# Altium PCB devkit-visao.PcbDoc (part 2 of 2)
Units mm, origin at the board's own origin, x right, y up, seen from the top; angles counter-clockwise.
Board outline 71 x 59 mm, 4 copper layers (L1, L2, L3, L4), stack 1.56 mm thick; 128 components, 84 nets, 411 pads, 419 vias.
Unrouted connection lines stored in the file: 253.
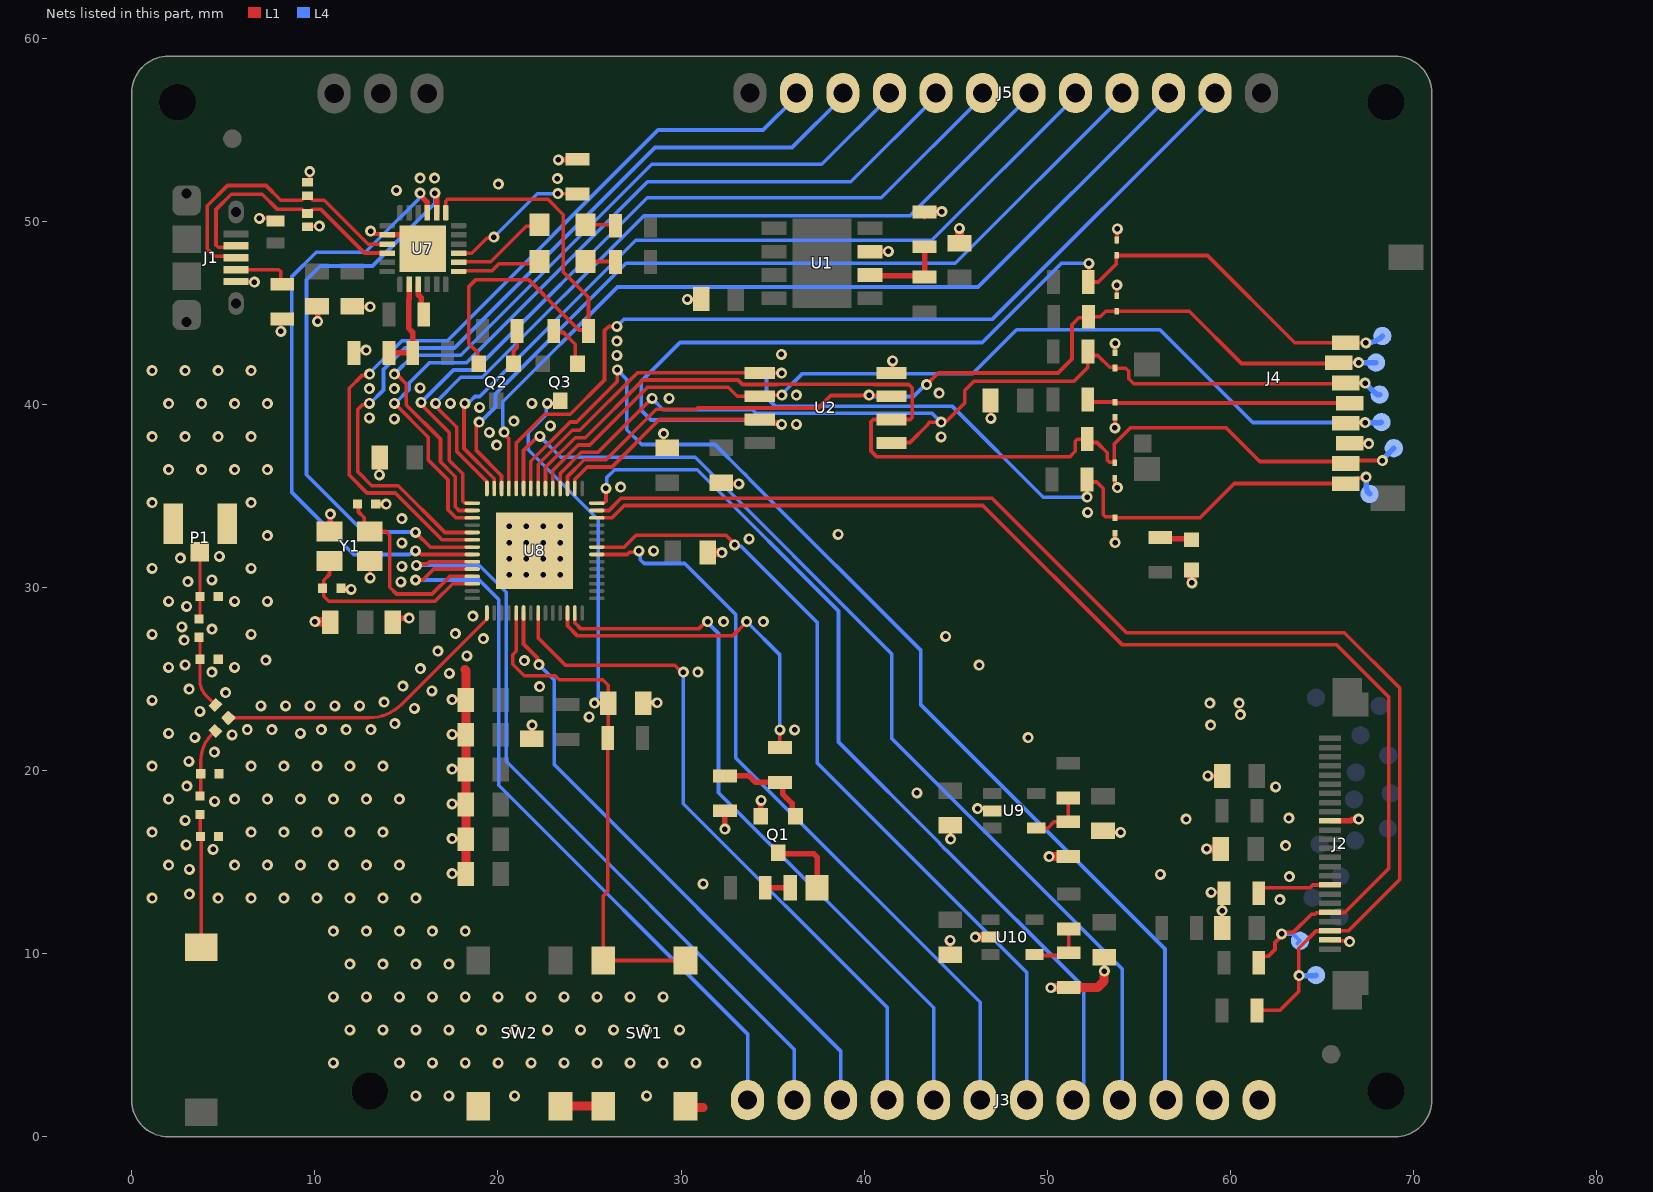
[diagram p4: the nets of this part, all layers, seen from the top]

## Via types
v1: diameter 0.6, hole 0.3, L1 to L4, tented both sides, 391 vias
v2: diameter 0.6, hole 0.3, L1 to L4, tented bottom, 28 vias

## Nets (pads, with @x,y where several pads share a name; then routed paths per layer and width w, separated by ;. In a path a pad name is that pad's centre, name@x,y a point inside that pad or via, vN(x,y) a via of type N, cw(c..) or ccw(c..) an arc to the next point about the centre after c; other vN are vias at no path point) (continued)
GND: C1.1 C2.1 C3.1 C4.1 C5.1 C6.1 C7.1 C8.1 C9.1 C10.1 C11.1 C12.1 C13.1 C14.2 C15.1 C16.1 C17.1 C18.1 C19.1 C20.1 C21.1 C22.2 C23.1 C24.2 C25.1 C26.1 C27.1 C28.1 C29.1 C30.1 C31.1 C32.1 D1.2 D3.2 D4.2 D5.2 D8.2 D9.2 D10.2 D11.2 D12.2 D13.2 J1.5 J2.10 J2.23 J3.11 J3.12 J4.6 P1.2 P1.3 Q1.2 R11.1 R18.1 R20.2 R22.1 R26.1 R29.1 R31.1 R33.1 SW1.1 SW1.2 SW2.1 SW2.2 U1.3 U2.4 U7.2 U7.25 U8.57 U9.2 U10.2 Y1.2 Y1.4 | length 68.6
  L1 w0.2: J1.5@5.7,46.7 5.712,46.688 6.687,46.688 v1(6.7,46.675) ; v1(6.975,50.15) 7.7,50.15 D5.2@7.85,50 ; v1(8.15,43.975) 8.15,44.575 R29.1@8.225,44.65 ; D4.2@9.6,49.735 9.605,49.73 10.245,49.73 v1(10.25,49.725) ; D3.2@9.6,52.065 9.725,52.19 v1(9.725,52.7) ; C29.1@12.05,45.35 12.075,45.325 v1(13.025,45.325) ; R26.1@12.15,42.8 12.3,42.95 v1(12.8,42.95) ; Y1.2@13,31.45 13.025,31.425 v1(13.025,30.525) ; v1(13.051,49.459) 13.109,49.459 13.267,49.3 13.9,49.3 U7.2@13.95,49.25 ; v1(13.525,36.15) 13.525,37.025 C1.1@13.575,37.075 ; v1@29.045,38.375 29.045,37.805 C23.1@29.2,37.65 ; SW1.2@30.25,1.675 SW1.2@30.325,1.6 ; v1(30.35,45.725) 31.05,45.725 C19.1@31.1,45.775 ; U2.4@41.5,41.705 41.55,41.755 v1(41.55,42.375) ; R33.1@43.3,50.2 43.3,50.25 R33.1@43.575,50.525 ; v1(44.7,10.725) 44.7,10 C30.1@44.75,9.95 ; C26.1@44.7,17 44.724,16.976 v1(44.724,16.25) ; v1(46.2,17.912) 46.888,17.912 U9.2@47,17.8 ; C18.1@46.9,40.2 46.925,40.175 v1(46.925,39.225) ; R22.1@51.175,8.15 51.182,8.143 R22.1@51.2,8.125 ; C27.1@53.05,16.7 53.125,16.625 v1(54,16.625) ; C31.1@53.083,9.81 53.125,9.768 v1(53.125,9.05) ; D9.2@53.675,35.955 53.7,35.93 53.7,35.688 53.826,35.561 v1(53.826,35.453) ; v1(53.693,38.707) 53.696,38.711 53.696,39.276 D10.2@53.7,39.28 ; v1(53.7,32.45) D8.2@53.7,32.955 ; D11.2@53.7,42.82 v1(53.7,43.325) ; D12.2@53.8,45.92 v1(53.8,46.5) ; D13.2@53.8,48.82 D13.2@53.8,48.97 53.812,48.983 53.812,49.562 v1(53.825,49.575) ; v1(58.775,19.7) C25.1@59.55,19.7 ; v1(58.95,13.35) 59.6,13.35 R11.1@59.65,13.3 ; C22.2@59.55,11.4 59.554,11.404 v1(59.554,12.35) ; J2.23@65.437,10.75 65.486,10.702 66.468,10.702 v1(66.516,10.654)
  L1 w0.3: C28.1@10.125,45.35 10.15,45.325 v1(10.15,44.525) ; C9.1@10.55,28.125 10.85,28.425 C9.1@10.85,28.5 ; Y1.4@10.8,33.05 10.85,33.1 v1(10.85,34) ; C17.1@11.425,29.95 11.456,29.919 11.957,29.919 v1(11.988,29.888) ; C15.1@13.325,34.538 13.337,34.55 v1(13.9,34.55) ; U7.2@13.95,49.25 15.15,49.25 U7.25@15.9,48.5 ; C10.1@14.425,28.4 14.5,28.325 v1(15.15,28.325) ; v1@17.45,16.25 17.475,16.25 C6.1@18.25,16.25 ; v1@17.475,14.35 C7.1@18.25,14.35 ; v1(17.5,21.975) 18.225,21.975 C3.1@18.25,21.95 ; v1(17.5,23.875) 18.225,23.875 C2.1@18.25,23.85 ; v1@17.525,20.075 17.5,20.1 18.225,20.1 C4.1@18.25,20.075 ; v1@17.6,18.175 v1@17.625,18.15 ; v1@17.625,18.2 18.2,18.2 C5.1@18.25,18.15 ; C20.1@21.85,21.725 21.875,21.75 v1(21.875,22.475) ; v1(23.3,53.35) 23.312,53.362 24.337,53.362 R20.2@24.35,53.375 ; SW2.2@23.425,1.675 SW2.2@23.85,2.1 ; SW1.1@25.675,1.6 SW1.1@25.75,1.675 ; C8.1@27.925,23.85 28.075,23.7 v1(28.7,23.7) ; C16.1@32.2,35.725 32.268,35.657 v1(33.157,35.657) ; v1(32.4,16.8) R31.1@32.4,17.8 ; Q1.2@34.35,17.5 34.363,17.513 34.363,18.363 v1(34.375,18.375) ; U1.3@40.325,48.335 40.332,48.342 41.317,48.342 v1(41.325,48.35) ; J2.10@65.437,17.25 66.579,17.25 66.675,17.345 66.995,17.345 v1(67,17.35) ; J4.6@66.506,37.862 66.512,37.856 67.55,37.856 v1(67.556,37.85)
  L1 w0.5: v1(10,28.125) C9.1@10.55,28.125 ; 18.2,25.5 18.25,25.45 C2.1@18.25,23.85 C3.1@18.25,21.95 18.25,20.075 C4.1@18.25,20.05 C5.1@18.25,18.15 C6.1@18.25,16.25 C7.1@18.25,14.35 ; SW2.2@23.425,1.675 25.6,1.675 SW1.1@25.675,1.6 ; SW1.2@30.325,1.6 31.2,1.6 ; C14.2@31.45,31.9 v1(32.225,31.9) ; R33.1@43.575,50.525 v1(44.25,50.525) ; C21.1@45.2,48.8 v1(45.2,49.6) ; v1(46.075,10.9) U10.2@46.75,10.9 ; v1(50.1,15.3) R18.1@51.15,15.3 ; v1(50.203,8.136) 50.21,8.143 R22.1@51.182,8.143 ; R22.1@51.175,8.15 52.75,8.15 53.106,8.506 53.106,9.031 v1(53.125,9.05) ; v1(57.894,30.241) D1.2@57.894,30.994 ; v1(58.699,15.721) C24.2@59.474,15.721
  other v1: 15.517,2.233 17.317,2.233 20.917,2.233 28.117,2.233 11.017,4.033 14.617,4.033 16.417,4.033 18.217,4.033 20.017,4.033 21.817,4.033 23.617,4.033 25.417,4.033 27.217,4.033 29.017,4.033 30.817,4.033 11.917,5.833 13.717,5.833 15.517,5.833 17.317,5.833 19.117,5.833 20.917,5.833 22.717,5.833 24.517,5.833 26.317,5.833 28.117,5.833 29.917,5.833 11.017,7.633 12.817,7.633 14.617,7.633 16.417,7.633 18.217,7.633 20.017,7.633 21.817,7.633 23.617,7.633 25.417,7.633 27.217,7.633 29.017,7.633 11.917,9.433 13.717,9.433 15.517,9.433 17.317,9.433 11.017,11.233 12.817,11.233 14.617,11.233 16.417,11.233 18.217,11.233 62.701,12.951 1.117,13.033 4.717,13.033 6.517,13.033 8.317,13.033 10.117,13.033 11.917,13.033 13.717,13.033 15.517,13.033 3.15,13.245 31.212,13.812 63.225,14.2 56.175,14.325 17.5,14.375 3.15,14.595 2.017,14.833 5.617,14.833 7.417,14.833 9.217,14.833 11.017,14.833 12.817,14.833 14.617,14.833 4.45,15.695 63.015,15.9 2.978,15.934 17.5,16.275 1.117,16.633 6.517,16.633 8.317,16.633 10.117,16.633 11.917,16.633 13.717,16.633 2.923,17.283 57.582,17.35 63.199,17.399 17.5,18.175 4.532,18.312 2.017,18.433 5.617,18.433 7.417,18.433 9.217,18.433 11.017,18.433 12.817,18.433 14.617,18.433 42.875,18.775 62.477,19.109 3.009,19.149 17.5,20.075 1.117,20.233 6.517,20.233 8.317,20.233 10.117,20.233 11.917,20.233 13.717,20.233 3.125,20.494 4.517,21.009 3.455,21.803 48.95,21.8 5.487,21.949 2.017,22.033 9.217,22.033 6.312,22.227 7.662,22.227 10.362,22.227 11.712,22.227 36.2,22.225 13.062,22.229 58.925,22.475 14.37,22.566 24.979,22.932 60.55,23.049 3.73,23.227 15.437,23.392 7.052,23.527 8.402,23.527 9.752,23.527 11.102,23.527 12.452,23.527 58.875,23.675 60.475,23.675 13.787,23.728 1.117,23.833 5.128,24.249 16.391,24.347 3.142,24.442 22.275,24.575 14.812,24.606 17.346,25.302 4.375,25.37 30.925,25.375 15.767,25.561 2.017,25.633 5.617,25.633 46.275,25.75 2.92,25.774 21.45,26.005 7.325,26.025 18.301,26.256 16.721,26.516 2.86,27.123 19.2,27.2 44.45,27.325 1.117,27.433 6.517,27.433 17.676,27.47 4.387,27.719 2.739,27.837 32.325,28.125 34.5,28.125 18.63,28.425 2.999,28.965 2.017,29.233 5.617,29.233 7.417,29.233 14.7,30.3 3.075,30.313 4.375,30.408 1.117,31.033 6.517,31.033 14.75,31.15 2.66,31.597 4.79,31.693 28.5,32 14.75,32.425 33.725,32.65 7.417,32.833 38.575,32.9 14.75,33.75 52.199,34.101 1.117,34.633 6.517,34.633 26.7,35.475 2.017,36.433 3.817,36.433 5.617,36.433 7.417,36.433 19.925,37.775 44.2,38.225 1.117,38.233 2.917,38.233 4.717,38.233 6.517,38.233 29.05,38.4 19.538,38.461 22.861,38.815 36.3,38.9 20.866,39.083 14.35,39.2 12.975,39.25 18.998,39.826 2.017,40.033 3.817,40.033 5.617,40.033 7.417,40.033 17.4,40.05 21.85,40.05 29.347,40.325 36.303,40.5 44.094,40.615 12.975,40.85 14.35,40.85 15.75,40.9 1.117,41.833 2.917,41.833 4.717,41.833 6.517,41.833 26.5,42.675 35.484,42.725 26.5,43.45 14.457,51.686 20.025,52.025 23.25,52.325 15.75,52.35 16.55,52.35
  other v2: 20.625,30.7 21.55,30.7 22.475,30.7 23.4,30.7 20.625,31.575 21.55,31.575 22.475,31.575 23.4,31.575 20.625,32.45 21.55,32.45 22.475,32.45 23.4,32.45 20.625,33.325 21.55,33.325 22.475,33.325 23.4,33.325
GPI040: J5.8 U8.45 | length 45.4
  L1 w0.2: v1(14.35,40.05) v1(14.35,40.05) 16.2,38.199 16.2,36.953 17.275,35.878 17.275,34.237 17.712,33.8 U8.45@18.6,33.8
  L4 w0.2: v1(14.35,40.05) 14.399,40.05 15.15,40.801 15.15,41.149 16.276,42.274 18.299,42.274 28.175,52.15 39.27,52.15 43.92,56.8 J5.8@43.92,57
GPIO0: C8.2 Q3.3 R1.1 SW1.3 SW1.4 U8.5 | length 48.1
  L1 w0.2: U8.5@21,28.6 21,26.514 20.809,26.323 20.809,25.798 21.432,25.175 23.129,25.175 23.354,24.95 25.725,24.95 26.025,24.65 C8.2@26.025,23.675 26.025,21.8 R1.1@26,21.775 26,13.4 25.75,13.15 SW1.4@25.75,9.625 SW1.3@30.25,9.625 ; v1(22.7,40.05) 23.3,40.05 Q3.3@23.47,40.22 ; v1(25.275,23.675) 25.75,23.675 C8.2@25.8,23.725
  L4 w0.2: v1(22.7,40.05) 22.647,39.997 22.647,39.45 21.655,38.458 21.655,37.52 25.475,33.7 25.475,23.983 25.275,23.783 v1(25.275,23.675)
GPIO1: J3.3 U8.6 | length 33.8
  L1 w0.2: U8.6@21.4,28.6 21.4,26.904 22.16,26.144 22.16,25.861 v1(22.237,25.784)
  L4 w0.2: v1(22.237,25.784) 23.075,24.946 23.075,20.325 38.715,4.685 J3.3@38.715,2
GPIO3: J3.4 U8.8 | length 38
  L1 w0.2: U8.8@22.2,28.6 22.2,27.235 23.685,25.75 29.651,25.75 30.026,25.375 v1(30.125,25.375)
  L4 w0.2: v1(30.125,25.375) 30.125,18.19 41.255,7.06 J3.4@41.255,2
GPIO8: J3.5 U8.13 | length 39.3
  L1 w0.2: U8.13@24.2,28.6 24.2,28.063 24.513,27.75 30.977,27.75 31.352,28.125 v1(31.451,28.125)
  L4 w0.2: v1(31.451,28.125) 31.451,28.077 32.05,27.477 32.05,18.784 43.795,7.039 J3.5@43.795,2
GPIO15: J3.6 U8.21 | length 41.4
  L1 w0.2: U8.21@25.4,31.8 27.06,31.8 27.183,31.923 27.623,31.923 v1(27.7,32)
  L4 w0.2: v1(27.7,32) 27.777,31.923 27.777,31.513 27.989,31.3 30.21,31.3 32.987,28.524 32.987,20.688 46.335,7.34 J3.6@46.335,2
GPIO16: J3.7 U8.22 | length 45.1
  L1 w0.2: U8.22@25.4,32.2 26.894,32.2 27.544,32.85 32.45,32.85 32.925,32.375 v1(32.925,32.325)
  L4 w0.2: v1(32.925,32.325) 33.002,32.248 33.277,32.248 37.443,28.082 37.443,20.407 48.875,8.975 J3.7@48.875,2
GPIO26: J3.8 U8.28 | length 50.4
  L1 w0.2: U8.28@25.4,34.6 25.783,34.6 25.9,34.717 v1(25.9,35.4)
  L4 w0.2: v1(25.9,35.4) 25.95,35.45 25.95,36 26.375,36.425 30.884,36.425 38.6,28.709 38.6,21.55 44.124,16.026 44.124,16.001 44.476,15.65 44.5,15.65 52,8.15 52,2.585 J3.8@51.415,2
GPIO27: D13.1 J4.1 R12.2 TP6.1 U2.7 U8.30 | length 70
  L1 w0.2: U8.30@24.2,35.4 24.2,35.891 24.884,36.575 26.225,36.575 28.815,39.165 U2.7@34.3,39.165 ; v1(52.275,47.7) 52.275,46.715 R12.2@52.24,46.68 52.78,46.68 53.775,47.675 53.775,48.125 58.75,48.125 63.513,43.362 J4.1@66.306,43.362 ; J4.1@66.371,43.425 66.446,43.35 v1(67.4,43.35)
  L1 w0.3: U2.7@34.3,39.165 34.475,38.99 35.329,38.99 35.419,38.9 v1(35.5,38.9)
  L4 w0.2: v1(35.5,38.9) 33.7,38.9 33.459,39.141 28.359,39.141 27.819,39.681 27.819,41.244 29.95,43.375 46.45,43.375 50.775,47.7 v1(52.275,47.7) ; v1@67.362,43.388 v1(67.4,43.35)
  L4 w0.3: v1(67.4,43.35) ccw(c67.4,44.617) 68.296,43.721 TP6.1@68.3,43.725
GPIO28: D12.1 J4.2 R13.2 TP5.1 U2.3 U8.31 | length 52
  L1 w0.2: U8.31@23.8,35.4 23.8,36.056 24.719,36.975 25.9,36.975 28.65,39.725 30.845,39.725 30.92,39.8 37.503,39.8 38.178,40.475 40.25,40.475 v1(40.275,40.5) ; v1@40.275,40.475 41.46,40.475 U2.3@41.5,40.435 ; v1(43.407,41.075) 44.04,41.708 50.583,41.708 51.346,42.472 51.346,44.346 51.717,44.717 52.192,44.717 R13.2@52.25,44.775 52.895,44.775 53.2,45.08 D12.1@53.8,45.08 57.756,45.08 60.611,42.225 65.869,42.225 J4.2@65.906,42.262 ; J4.2@66.075,42.275 v1(67,42.275)
  L4 w0.2: v1(40.275,40.5) 40.35,40.425 42.7,40.425 43.35,41.075 v1(43.407,41.075) ; v1@66.975,42.3 v1(67,42.275)
  L4 w0.3: v1(67,42.275) TP5.1@67.95,42.275
GPIO33: J5.2 U8.38 | length 50.3
  L1 w0.2: U8.38@21,35.4 21,37.887 21.65,38.537 22.563,39.45 22.876,39.45 23.95,39.45 25.825,41.325 25.825,44.025 26.05,44.25 v1(26.5,44.25)
  L4 w0.2: v1(26.5,44.25) 26.9,44.65 47.01,44.65 59.16,56.8 J5.2@59.16,57
GPIO34: J5.3 U8.39 | length 48.3
  L1 w0.2: v1(20.338,38.475) 20.338,38.366 20.6,38.105 U8.39@20.6,35.4
  L4 w0.2: v1(20.338,38.475) 20.266,38.547 20.266,40.139 26.526,46.4 46.22,46.4 56.62,56.8 J5.3@56.62,57
GPIO35: J5.4 U8.40 | length 47.3
  L1 w0.2: v1(18.972,39.025) 18.972,38.917 18.825,38.771 18.825,37.475 20.2,36.1 U8.40@20.2,35.4
  L4 w0.2: v1(18.972,39.025) 19.046,39.025 19.866,39.845 19.866,40.566 27,47.7 44.98,47.7 54.08,56.8 J5.4@54.08,57
GPIO36: J5.5 U8.41 | length 45.8
  L1 w0.2: v1@18.174,40.05 18.15,40.026 18.15,37.584 19.8,35.934 U8.41@19.8,35.4
  L4 w0.2: v1(18.2,40.05) 18.308,40.05 18.446,40.187 18.511,40.187 18.75,40.426 19.001,40.426 27.525,48.95 43.69,48.95 51.54,56.8 J5.5@51.54,57
GPIO37: J5.6 U8.42 | length 45.4
  L1 w0.2: v1@16.574,40.026 16.574,39.917 16.624,39.917 16.745,39.797 16.745,39.747 17.75,38.742 17.75,37.414 19.4,35.764 U8.42@19.4,35.4
  L4 w0.2: v1@16.574,40.026 16.574,40.073 17.976,41.474 19.149,41.474 27.975,50.3 42.5,50.3 49,56.8 J5.6@49,57
  other v1: 16.6,40.05
GPIO38: J5.7 U8.43 | length 44.7
  L1 w0.2: v1(15.802,40.102) 15.802,40 17.35,38.451 17.35,36.934 18.075,36.209 18.075,34.717 18.192,34.6 U8.43@18.6,34.6
  L4 w0.2: v1(15.802,40.102) 17.574,41.874 18.749,41.874 28.15,51.275 40.935,51.275 46.46,56.8 J5.7@46.46,57
GPIO39: J5.9 U8.44 | length 43.2
  L1 w0.2: v1(14.35,41.65) 14.458,41.65 15,41.108 15,39.964 16.861,38.103 16.861,36.858 17.675,36.044 17.675,34.403 17.878,34.2 U8.44@18.6,34.2
  L4 w0.2: v1(14.35,41.65) 15.374,42.674 17.974,42.674 28.4,53.1 37.68,53.1 41.38,56.8 J5.9@41.38,57
GPIO41: J5.10 U8.47 | length 45.5
  L1 w0.2: v1(12.975,40.05) 12.901,39.976 12.601,39.976 12.342,39.717 12.342,36.324 13.116,35.55 14.562,35.55 17.112,33 17.588,33 U8.47@18.6,33
  L4 w0.2: v1(12.975,40.05) 13.024,40.05 13.75,40.776 13.75,41.899 14.926,43.075 17.624,43.075 28.574,54.025 36.065,54.025 38.84,56.8 J5.10@38.84,57
GPIO42: J5.11 U8.48 | length 44.2
  L1 w0.2: v1(13,41.65) 12.925,41.575 12.575,41.575 11.875,40.875 11.875,36.131 12.856,35.15 14.397,35.15 16.947,32.6 17.753,32.6 U8.48@18.6,32.6
  L4 w0.2: v1(13,41.65) 13,41.714 14.761,43.475 17.249,43.475 28.749,54.975 34.475,54.975 36.3,56.8 J5.11@36.3,57
GPIO45: J3.2 U8.51 | length 42.9
  L1 w0.2: v1(15.549,31.201) 15.625,31.278 16.125,31.278 16.247,31.4 U8.51@18.6,31.4
  L4 w0.2: v1(15.549,31.201) 18.981,31.201 20.45,29.733 20.45,20.5 36.175,4.775 J3.2@36.175,2
GPIO46: J3.1 U8.52 | length 41.3
  L1 w0.2: v1(15.5,30.403) 15.523,30.426 15.926,30.426 16.5,31 U8.52@18.6,31
  L4 w0.2: v1(15.5,30.403) 15.501,30.401 18.981,30.401 20.05,29.333 20.05,19.2 33.635,5.615 J3.1@33.635,2
GPIO47: J3.9 U8.37 | length 57.1
  L1 w0.2: U8.37@21.4,35.4 21.4,37.477 21.813,37.89 21.828,37.89 22.187,38.249 v1(22.295,38.249)
  L4 w0.2: v1(22.295,38.249) 22.295,38.243 23.438,37.1 30.775,37.1 41.5,26.375 41.5,21.763 54.1,9.163 54.1,2.145 J3.9@53.955,2
GPIO48: J3.10 U8.36 | length 63.3
  L1 w0.2: U8.36@21.8,35.4 21.8,36.885 23.949,39.034 24.309,39.034 26.525,41.25 v1(26.525,41.875)
  L4 w0.2: v1(26.525,41.875) 27.042,41.358 27.042,38.608 27.85,37.8 31.85,37.8 33.393,36.257 33.406,36.257 33.757,35.906 33.757,35.893 43.1,26.55 43.1,23.575 56.425,10.25 56.425,2.07 J3.10@56.495,2
LED_FLASH: R30.2 U8.12 | length 18.7
  L1 w0.2: U8.12@23.8,28.6 23.8,27.898 24.348,27.35 32.812,27.35 v1(33.587,28.125) ; R30.2@35.4,21.25 v1(35.4,22.225)
  L4 w0.2: v1(33.587,28.125) 35.4,26.312 v1(35.4,22.225)
LED_RTX: D6.2 U7.13 | length 4.4
  L1 w0.2: U7.13@17.85,47.25 17.9,47.3 19.691,47.3 20.066,47.675 D6.2@22.075,47.675
LED_TXT: D7.2 U7.14 | length 5.3
  L1 w0.2: U7.14@17.85,47.75 17.878,47.778 19.603,47.778 21.542,49.717 22.192,49.717 D7.2@22.275,49.8
NetAE1_1: AE1.1 C11.2 L2.1 | length 7.3
  L1 w0.174: L2.1@3.725,17.6 cw(c3.665,17.54) 3.75,17.54 C11.2@3.75,16.4 cw(c3.629,16.279) 3.8,16.279 AE1.1@3.8,10.35
NetC12_2: C12.2 L2.2 R34.2 | length 3.8
  L1 w0.174: L2.2@3.725,18.6 ccw(c3.604,18.721) 3.775,18.721 C12.2@3.775,19.825 3.775,20.516 cw(c5.849,20.516) 4.382,21.982 R34.2@4.57,22.17
NetC13_2: C13.2 L1.1 P1.1 | length 3.7
  L1 w0.174: L1.1@3.675,28.275 3.725,28.325 C13.2@3.725,29.5 P1.1@3.725,31.95
NetC17_2: C17.2 U8.54 Y1.1 | length 10.7
  L1 w0.2: Y1.1@10.8,31.45 10.8,30.7 10.483,30.383 10.483,30.008 C17.2@10.425,29.95 10.483,29.892 10.483,29.517 10.764,29.236 16.567,29.236 17.531,30.2 U8.54@18.6,30.2
NetC32_2: C32.2 L1.2 R2.2 | length 4
  L1 w0.174: L1.2@3.675,27.275 cw(c3.554,27.154) 3.725,27.154 C32.2@3.725,26.075 3.725,24.915 ccw(c4.897,24.914) 4.068,24.085 R2.2@4.57,23.584
NetD1_1: D1.1 R5.2 | length 1.8
  L1 w0.3: R5.2@56.175,32.725 56.237,32.662 57.812,32.662 D1.1@57.875,32.6
NetD2_1: D2.1 R6.1 | length 1.4
  L1 w0.3: R6.1@34.6,13.6 D2.1@35.97,13.6
NetD2_2: D2.2 Q1.3 | length 3.9
  L1 w0.3: Q1.3@35.3,15.5 35.35,15.45 37.254,15.45 37.43,15.274 D2.2@37.43,13.6
NetD6_1: D6.1 R3.2 | length 1.7
  L1 w0.2: D6.1@24.775,47.8 26.4,47.8 R3.2@26.425,47.775
NetD7_1: D7.1 R10.2 | length 1.7
  L1 w0.2: D7.1@24.775,49.8 26.375,49.8 R10.2@26.425,49.75
NetD10_1: D10.1 J4.4 R15.2 | length 14.5
  L1 w0.2: R15.2@52.215,40.254 52.348,40.12 D10.1@53.7,40.12 53.7,40.096 53.725,40.071 J4.4@66.671,40.071
NetJ1_4: J1.4 R29.2 | length 3.2
  L1 w0.2: J1.4@5.7,47.35 8.033,47.35 8.15,47.233 8.15,46.625 R29.2@8.225,46.55
NetJ2_17: J2.17 R11.2 | length 4.1
  L1 w0.2: R11.2@61.55,13.3 61.55,13.35 61.8,13.6 64.345,13.6 64.495,13.75 J2.17@65.437,13.75
NetQ1_1: Q1.1 R30.1 R31.2 | length 5.3
  L1 w0.3: R31.2@32.4,19.7 33.725,19.7 34.075,19.35 R30.1@35.4,19.35 35.549,19.201 35.549,18.726 36.069,18.206 36.069,17.681 Q1.1@36.25,17.5
NetQ2_1: Q2.1 R25.2 | length 2.2
  L1 w0.2: Q2.1@21.05,42.4 Q2.1@20.85,42.2 20.85,42.9 21.05,43.1 R25.2@21.05,44
NetQ3_1: Q3.1 R27.2 | length 2.7
  L1 w0.2: R27.2@23.05,44 23.133,43.917 23.583,43.917 24.217,43.283 24.217,42.483 Q3.1@24.5,42.2
NetR2_1: R2.1 R34.1 U8.1 | length 16.5
  L1 w0.174: R34.1@5.277,22.877 12.95,22.877 ccw(c12.95,25.417) 14.746,23.621 19.329,28.204 ; U8.1@19.4,28.275 U8.1@19.4,28.6
NetR9_1: R9.1 R18.2 U9.4 | length 3
  L1 w0.2: U9.4@49.4,16.85 50.021,16.85 50.366,17.196 50.996,17.196 R18.2@51,17.2 ; R18.2@51.15,17.2 R9.1@51.15,18.5
NetR20_1: R20.1 U7.15 | length 7.9
  L1 w0.2: U7.15@17.85,48.25 18.575,48.25 19.388,49.063 19.713,49.063 v1(19.775,49.125) ; v1(23.275,51.5) 24.325,51.5 R20.1@24.35,51.475
  L4 w0.2: v1(19.775,49.125) 22.15,51.5 v1(23.275,51.5)
NetR21_1: R21.1 R22.2 U10.4 | length 3.1
  L1 w0.2: U10.4@49.375,9.9 50.875,9.9 R22.2@51.075,10.1 ; R22.2@51.175,10.05 R21.1@51.175,11.35
NetR32_1: R32.1 R33.2 U1.2 | length 4.4
  L1 w0.3: U1.2@40.325,47.065 40.383,47.007 43.243,47.007 R32.1@43.3,46.95 R33.2@43.3,48.3
RSTb: R28.2 U7.9 | length 1.8
  L1 w0.3: U7.9@15.65,46.55 15.65,45.98 15.822,45.808 15.822,45.028 R28.2@15.95,44.9
RTS: Q2.2 R27.1 U7.19 | length 26.8
  L1 w0.2: U7.19@17.15,50.45 17.15,51.086 17.267,51.203 22.723,51.203 23.573,50.353 23.573,47.227 24.95,45.85 24.95,44.3 R27.1@24.95,44 24.893,44.057 24.417,44.057 23.325,45.149 21.667,46.807 18.807,46.807 18.4,46.4 18.4,43.326 18.893,42.833 Q2.2@18.893,42.113
RXD: U7.20 U8.49 | length 31.8
  L1 w0.2: v1(15.5,33) 16.3,32.2 17.919,32.2 U8.49@18.6,32.2
  L1 w0.3: v1(16.557,51.532) 16.557,51.451 16.65,51.358 U7.20@16.65,50.45
  L4 w0.2: v1(15.5,33) 15.475,33.025 12.674,33.025 9.55,36.149 9.55,46.8 10.3,47.55 13.15,47.55 16.557,50.957 v1(16.557,51.532)
SPI_MISO: D9.1 J4.7 R16.2 TP2.1 U2.2 U8.34 | length 61.4
  L1 w0.2: U8.34@22.6,35.4 22.6,36.553 24.222,38.175 24.775,38.175 27.925,41.325 33.106,41.325 33.351,41.08 35.249,41.08 35.269,41.1 40.524,41.1 40.544,41.08 42.429,41.08 42.625,40.884 42.625,39.282 42.508,39.165 U2.2@41.5,39.165 40.492,39.165 40.375,39.048 40.375,37.446 40.696,37.125 51.225,37.125 51.529,37.429 51.529,37.977 51.646,38.095 R16.2@52.179,38.095 52.361,37.913 52.712,37.913 53.276,37.349 53.276,36.96 53.393,36.842 53.65,36.842 53.675,36.817 D9.1@53.675,36.795 ; D9.1@53.65,36.875 53.65,37.816 54.559,38.726 59.749,38.726 61.6,36.875 66.193,36.875 J4.7@66.306,36.762 ; J4.7@66.471,36.771 66.625,36.925 v1(68.3,36.925)
  L4 w0.3: v1(68.3,36.925) cw(c68.421,36.925) 68.335,37.01 TP2.1@68.925,37.6
SPI_MOSI: D8.1 J4.8 R17.2 TP1.1 U2.5 U8.35 | length 58.2
  L1 w0.2: U8.35@22.2,35.4 22.2,36.719 24.056,38.575 24.475,38.575 27.625,41.725 34.649,41.725 34.674,41.7 v1(35.5,41.7) ; R17.2@52.164,35.311 R17.2@52.164,35.878 ; R17.2@52.164,35.885 R17.2@52.164,35.878 ; v1(52.175,34.925) R17.2@52.175,35.311 ; D8.1@53.675,33.8 58.338,33.8 60.208,35.671 66.297,35.671 J4.8@66.306,35.662 ; D8.1@53.7,33.795 53.7,33.838 53.675,33.863 53.167,33.863 53.05,33.98 53.05,35.4 52.697,35.753 52.289,35.753 R17.2@52.164,35.878 ; J4.8@66.471,35.671 66.762,35.962 67.362,35.962 v1(67.417,36.016)
  L4 w0.2: v1(35.5,41.7) 34.929,41.7 34.671,41.442 34.671,40.361 35.132,39.9 44.8,39.9 49.775,34.925 v1(52.175,34.925)
  L4 w0.3: v1(67.417,36.016) 67.417,35.542 ccw(c68.042,35.542) TP1.1@67.6,35.1
SPI_SCK: J4.5 TP3.1 U2.6 U8.33 | length 52.9
  L1 w0.2: U8.33@23,35.4 23,36.388 24.387,37.775 25.021,37.775 28.171,40.925 32.575,40.925 33.065,40.435 U2.6@34.3,40.435 34.365,40.5 v1(35.503,40.5) ; J4.5@66.471,38.971 66.5,39 v1(67.356,39)
  L4 w0.2: v1(35.503,40.5) 35.503,40.549 36.63,41.675 45.925,41.675 48.325,44.075 56.15,44.075 61.225,39 v1(67.356,39)
  L4 w0.3: v1(67.356,39) 68.19,39 ccw(c68.19,39.085) TP3.1@68.25,39.025
SPI_SS: D11.1 J4.3 R14.2 TP4.1 U2.1 U8.32 | length 54.7
  L1 w0.2: U8.32@23.4,35.4 23.4,36.222 24.553,37.375 25.469,37.375 v1(28.419,40.325) ; U2.1@41.5,37.895 41.513,37.908 42.508,37.908 43.475,38.875 43.475,38.908 43.592,39.025 v1(44.2,39.025) 44.277,39.102 44.53,39.102 45.5,40.072 45.5,40.75 46,41.25 51.454,41.25 52.215,42.011 52.215,42.725 52.273,42.667 52.758,42.667 53.408,42.017 53.675,42.017 53.7,41.992 D11.1@53.7,41.98 53.712,41.98 53.725,41.967 54.283,41.967 54.446,41.804 54.446,41.398 54.719,41.125 66.269,41.125 J4.3@66.306,41.162 66.318,41.15 v1(67.356,41.15) ; R14.2@52.225,42.875 R14.2@52.35,43
  L4 w0.2: v1(28.419,40.325) 28.419,40.315 29.034,39.7 33.909,39.7 34.109,39.5 43.725,39.5 v1(44.2,39.025) ; v1@67.331,41.175 v1(67.356,41.15)
  L4 w0.3: v1(67.356,41.15) 67.861,40.645 ccw(c68.15,40.934) TP4.1@68.15,40.525
TWI_SCL: J2.20 R19.2 TP24.1 U8.26 | length 68.1
  L1 w0.2: U8.26@25.4,33.8 26.231,33.8 26.906,34.475 46.475,34.475 54.075,26.875 65.787,26.875 68.65,24.012 68.65,14.65 66.25,12.25 J2.20@65.437,12.25 65.412,12.225 64.689,12.225 64.614,12.15 64.423,12.15 63.425,11.152 62.877,11.152 v1(62.8,11.075) 62.8,10.967 62.441,10.607 62.441,10.222 62.083,9.864 61.614,9.864 R19.2@61.45,9.7
  L4 w0.2: v1(62.8,11.075) 63.425,11.075 TP24.1@63.8,10.7 TP24.1@63.647,10.547
TWI_SDA: J2.22 R23.2 TP25.1 U8.27 | length 71.9
  L1 w0.2: U8.27@25.4,34.2 26.066,34.2 26.741,34.875 46.975,34.875 54.325,27.525 66.225,27.525 69.25,24.5 69.25,14.05 66.45,11.25 J2.22@65.437,11.25 ; R23.2@61.45,6.9 62.7,6.9 63.736,7.936 63.736,8.8 63.736,10.288 64.68,11.233 J2.22@65.42,11.233
  L4 w0.3: v1(63.75,8.8) 64.615,8.8 ccw(c64.615,8.885) TP25.1@64.675,8.825
TXD: U7.21 U8.50 | length 33.5
  L1 w0.2: v1(15.5,32) 15.608,32 15.808,31.8 18.085,31.8 U8.50@18.6,31.8
  L1 w0.3: v1(15.75,51.533) 15.807,51.475 15.807,51.363 16.15,51.02 U7.21@16.15,50.45
  L4 w0.2: v1(15.5,32) 15.392,32 15.192,31.8 12.125,31.8 8.75,35.175 8.75,46.975 10.075,48.3 12.759,48.3 13.635,49.176 15.673,51.214 15.673,51.456 v1(15.75,51.533)
USB_D_N: D4.1 J1.2 U7.4 | length 14.3
  L1 w0.2: J1.2@5.7,48.65 5.617,48.568 4.725,48.568 4.607,48.685 4.607,50.633 5.439,51.465 7.131,51.465 7.938,50.657 9.293,50.657 9.535,50.415 D4.1@9.6,50.415 9.665,50.415 9.907,50.657 10.317,50.657 12.717,48.257 13.943,48.257 U7.4@13.95,48.25
USB_D_P: D3.1 J1.3 U7.3 | length 16
  L1 w0.2: J1.3@5.7,48 5.617,48.082 4.524,48.082 4.122,48.484 4.122,50.834 5.238,51.95 7.332,51.95 8.139,51.143 9.293,51.143 9.535,51.385 D3.1@9.6,51.385 9.665,51.385 9.907,51.143 10.518,51.143 12.918,48.743 13.943,48.743 U7.3@13.95,48.75
VBUS_CP: R24.1 R26.2 U7.8 | length 5.2
  L1 w0.3: R26.2@14.05,42.8 R24.1@15.35,42.8 15.35,43.93 15.125,44.155 15.125,45.745 15.15,45.77 U7.8@15.15,46.55
X_N: C15.2 U8.53 Y1.3 | length 11
  L1 w0.2: C15.2@12.325,34.55 12.383,34.492 12.383,34.117 12.7,33.8 12.7,33.2 12.85,33.05 13.9,33.05 14.1,32.85 14.1,30 14.464,29.636 16.402,29.636 17.366,30.6 U8.53@18.6,30.6
pads on no net: AE1. FID1. FID2. J1. J2. J2.1 J2.2 J2.24 J4. J4.9 TH1.1 TH2.1 TH3.1 TH4.1 U1. U1.4 U1.6 U1.7 U7. U7.1 U7.10 U7.11 U7.12 U7.16 U7.17 U7.18 U7.22 U7.24 U8.
copper on no net:
  other v2: 36.5,45.795 37.7,45.795 38.9,45.795 36.5,47.065 37.7,47.065 38.9,47.065 36.5,48.335 37.7,48.335 38.9,48.335 36.5,49.605 37.7,49.605 38.9,49.605

## Polygon pours and split planes (outlines as drawn)
+3V3 on L1 "L1-+3V3" (solid, remove dead copper, pour order 53): 27.1,43.25 45.85,43.25 45.85,42.075 50.9,42.075 50.9,47.475 50.975,47.55 50.9,47.55 50.9,50.175 71,50.175 71,58.77 60.475,58.77 60.475,55.275 46.725,55.275 46.725,47.55 44.3,47.55 44.3,46.3 39.6,46.3 39.6,44.775 39.625,44.75 39.575,44.7 29.675,44.7 29.675,53.6 27.1,53.6
GND on L1 "L1-GND" (solid, remove dead copper, pour order 51): -0.24,1.997 1.76,-0.003 31.8,-0.003 31.8,8.6 18.91,8.6 18.91,25.09 19.3,25.096 20.389,26.871 20.325,29 18.853,29.02 14.401,25.096 11.597,25.106 11.596,25.095 7.76,25.095 7.76,43.497 -0.24,43.497
+3V3 on L1 "L1-+3V3 1" (solid, pour order 50): 48.412,34.238 54.786,27.864 57.075,27.864 57.075,31.775 53.35,31.775 51.2,33.925 51.2,36.75 49.125,36.75 49.123,36.748 35.175,36.748 35.175,38.275 30.325,38.275 30.325,36.27 27,36.27 27,35.1 31.45,35.1 31.475,35.125 31.45,35.15 31.45,36.35 33.8,36.35 33.8,35.1 48.412,35.1
GND on L1 "GND_L01_P049" (solid, pour order 49): 47.4,11.2 43.9,11.2 43.9,7.7 53.9,7.7 53.9,10.4 52.2,10.4 52.2,9.2 46.2,9.2 46.2,10.4 47.4,10.4
+3V3 on L1 "+3V3_L01_P028" (solid, remove dead copper, pour order 28): 43.675,7.5 60.7,7.5 60.7,3.85 32.3,3.85 32.3,10.9 26.695,10.9 26.695,22.875 48,22.875 48,11.4 43.675,11.4
+1V2 on L1 "+1V2_L01_P017" (solid, remove dead copper, pour order 17): 50.3,18 48.5,18 48.5,20.8 58.3,20.8 58.3,14.885 62.568,14.885 63.1,14.885 63.1,14.7 62.554,14.154 56.5,14.154 56.5,14.7 54.6,14.7 54.6,17.4 52.1,17.4 52.1,19.1 50.3,19.1
+2V8 on L1 "+2V8_L01_P018" (solid, pour order 18): 48.8,14.4 55.6,14.4 55.6,10.5 57.9,10.5 57.9,9.6 58.844,8.656 61.421,8.656 62.2,9.435 64.665,11.9 65.035,11.9 65.035,11.6 64.635,11.6 63.435,10.399 63.435,8.235 63.2,8 54.1,8 54.1,10.6 52,10.6 52,11.956 50.3,11.956 50.3,10.7 48.8,10.7
+3V3 on L1 "+3V3_L01_P048" (solid, pour order 48): 12.673,27 12.7,26.973 12.7,25.6 14.4,25.6 17.15,27.983 17.15,28.35 18.1,29.3 19.1,29.3 19.1,29.5 18.1,29.5 18.1,29.7 19.1,29.7 19.1,29.9 17.5,29.9 16.53,28.93 12.673,28.93
+5V on L1 "+5V_L01_P019" (solid, pour order 19): 12.35,58.98 12.35,54.025 30.1,54.025 30.1,45.025 35.725,45.025 35.725,59.005
+3V3 on L1 "+3V3_L01_P029" (solid, pour order 29): 21.1,28.007 21.1,22.089 24.7,22.114 24.7,15.05 23.15,13.5 19.7,13.5 19.7,28.007
+5V on L1 "+5V_L01_P047" (solid, pour order 47): 16.625,45.825 16.625,41.75 18.05,41.75 18.05,45.825
+3V3 on L1 "+3V3_L01_P046" (solid, remove dead copper, pour order 46): 9.5,46.098 13.5,46.098 13.511,45.905 cw(c13.498,45.887) 13.519,45.891 cw(c13.516,45.89) 13.519,45.888 ccw(c13.555,45.88) 13.518,45.88 13.518,43.7 14.8,43.7 14.8,46.975 14.375,46.975 14.375,47.395 13.52,47.39 13.518,47.606 14.375,47.598 14.375,47.9 9.5,47.9
+5V_USB on L1 "+5V_USB_L01_P039" (solid, pour order 39): 5,50.55 5,49 6.525,49 6.525,47.7 10.075,47.7 10.075,50.55
+3V3 on L1 "+3V3_L01_P030" (solid, pour order 30): 13.4,29 12.125,29 12.125,27 9.375,27 9.375,37.4 11.625,37.4 11.575,37.45 11.575,39.325 8.25,39.325 8.25,38.2 8.25,25.6 13.4,25.6
+3V3 on L4 "L4-+3V3" (solid, pour order 13): 12.675,25.3 16.3,21.675 16.3,13.325 24.4,13.325 24.4,13.7 19.775,18.325 19.775,29.925 12.675,29.925 12.675,27.125
GND on L4 "GND_L04_P052" (solid, pour order 52): 0,43.5 0,11 9,11 9,0 19.331,0 32.1,0 32.1,5.6 24.85,12.85 19.331,12.85 19.331,25 8,25 8,43.5
+3V3 on L4 "+3V3_L04_P023" (solid, pour order 23): 57.125,30.725 49.5,30.725 49.5,18.1 56.896,10.704 56.896,3.875 62.1,3.875 62.1,18.375 56.35,18.375 56.35,29.1 57.1,29.1 57.125,29.125
+5V_USB on L4 "+5V_USB_L04_P015" (solid, pour order 15): 6.579,47.676 9.096,47.676 12.225,50.948 12.225,59 0,59 0,47.676
+3V3 on L4 "+3V3_L04_P031" (solid, pour order 31): 10.049,47.125 12.925,47.125 15.225,47.125 15.225,43.225 15.275,43.175 12.225,43.175 12.225,38.725 16.025,38.725 16.025,37.35 15.95,37.275 10.149,37.275
+3V3 on L4 "+3V3_L04_P042" (solid, pour order 42): 27.146,35.975 32.475,35.975 32.475,31.45 29.5,31.45 27.092,31.45 27.121,33.829
+3V3 on L4 "+3V3_L04_P027" (solid, pour order 27): 28.475,21.4 23.325,21.4 23.325,19.837 28.475,19.837
+3V3 on L4 "+3V3_L04_P021" (solid, pour order 21): 47.297,42.545 48.283,43.69 56,43.69 56,32.2 47.297,32.2
+5V on L4 "+5V_L04_P020" (solid, pour order 20): 12.662,58.5 14.6,58.5 14.6,54.525 18.625,54.525 18.625,44.65 17.2,43.225 17.125,43.3 15.625,43.3 15.625,49.225 17.125,50.725 17.125,52.9 12.721,52.9
+5V_in on L4 "+5V_IN_L04_P016" (solid, pour order 16): 14.825,58.575 15,58.4 15,54.825 27.725,54.825 28.3,55.4 34.625,55.4 34.625,58.45 34.725,58.55
GND on L2 "GND_L02_P000" (solid, pour order 0): 0,59 0,0 71,0 71,59
GND on L3 "GND_L03_P001" (solid, pour order 1): 0,59 0,0 71,0 71,59

## Keep-outs
Keep-Out Layer:
  the board outline again, w0.5

## Other copper
L1:
  pour cut-out: 13.945,46.445 13.945,47.1 14.513,47.1 14.513,46.445

## Silkscreen, mask and mechanical layers (free items; w line width, h text height)
Top Overlay:
  region: 19.25,58.25 19.25,55.75 18,57
  lines w0.23: 9.656,55.375 9.656,54.11 ccw(c10.53,53.996) 10.572,53.116 16.762,53.116 ; 16.762,53.122 ccw(c16.652,53.975) 17.505,54.085 17.505,55.335
  lines w0.254: 12.268,53.137 12.268,55.245 ; 14.928,53.137 14.928,55.245 ; 17.925,11.5 cw(c18.8,11.625) 18.675,12.5 23.675,12.5 cw(c23.55,11.625) 24.425,11.5 ; 17.932,10.287 17.932,11.537 ; 24.435,10.262 24.435,11.512 ; 24.75,11.5 cw(c25.625,11.625) 25.5,12.5 30.5,12.5 cw(c30.375,11.625) 31.25,11.5 ; 24.757,10.287 24.757,11.537 ; 31.26,10.262 31.26,11.512 ; 32.2,55.4 32.2,58.6 63.1,58.6 ; 32.2,55.4 32.2,55.4 ; 32.2,55.4 63.1,55.4 63.1,58.6 ; 32.235,0.4 63.135,0.4 63.135,3.6 ; 32.235,0.4 32.235,0.4 ; 32.235,0.4 32.235,3.6 63.135,3.6 ; 63.1,58.6 63.1,58.6 ; 63.135,3.6 63.135,3.6
  lines w0.5: 0,2 ccw(c2,2) 2,0 69,0 ccw(c69,2) 71,2 71,57 ccw(c69,57) 69,59 31,59 2,59 ccw(c2,57) 0,57 0,2
  text "Power Selection" at 19.25,55.75 h1
  text "PIN" at 16.425,53.575 h1 r90
  text "SEL" at 13.788,53.5 h1 r90
  text "USB" at 11.288,53.4 h1 r90
  text "RESET" at 18.6,10.822 h1.8
  text "BOOT" at 25.9,10.822 h1.8
Bottom Overlay:
  drawing of 123 lines, arcs and shapes, not listed
  text "3V3" at 62.492,55.483 h1.5 r90
  text "5V" at 34.375,55.475 h1.5 r90
  text "42" at 36.925,55.475 h1.5 r90
  text "41" at 39.45,55.475 h1.5 r90
  text "39" at 42.075,55.475 h1.5 r90
  text "40" at 44.625,55.475 h1.5 r90
  text "38" at 47.15,55.475 h1.5 r90
  text "37" at 49.675,55.475 h1.5 r90
  text "36" at 52.25,55.475 h1.5 r90
  text "35" at 54.75,55.475 h1.5 r90
  text "34" at 57.25,55.475 h1.5 r90
  text "33" at 60,55.475 h1.5 r90
  text "5V" at 30.488,49.75 h1 r90
  text "42" at 31.75,49.75 h1 r90
  text "41" at 33,49.75 h1 r90
  text "39" at 34.238,49.75 h1 r90
  text "40" at 35.488,49.75 h1 r90
  text "38" at 36.738,49.75 h1 r90
  text "37" at 37.988,49.75 h1 r90
  text "36" at 39.238,49.75 h1 r90
  text "35" at 40.488,49.75 h1 r90
  text "34" at 41.738,49.75 h1 r90
  text "33" at 42.988,49.75 h1 r90
  text "3V3" at 44.238,49.75 h1 r90
  text "JTAG/GPIO" at 28.987,49.5 h1.1 r90
  text "VOLTAGE INPUT" at 30.488,46.75 h1 r90
  text "MTMS\GPIO42" at 31.738,46.75 h1 r90
  text "MTDI\GPIO41" at 32.988,46.75 h1 r90
  text "MTCK\GPIO39" at 34.238,46.75 h1 r90
  text "MTDO\GPIO40" at 35.488,46.75 h1 r90
  text "GPIO38" at 36.738,46.75 h1 r90
  text "GPIO37" at 37.988,46.75 h1 r90
  text "GPIO36" at 39.238,46.75 h1 r90
  text "GPIO35" at 40.488,46.75 h1 r90
  text "GPIO34" at 41.738,46.75 h1 r90
  text "GPIO33" at 42.988,46.75 h1 r90
  text "VOLTAGE OUTPUT" at 44.238,46.75 h1 r90
  text "SPI Test point" at 58.75,43.178 h1
  text "DEVKIT VISION" at 24.181,42.36 h4 r90
  text "SPI MOSI" at 56,41.762 h1
  text "TP1" at 59,41.75 h1
  text "SPI MISO" at 56,40.512 h1
  text "TP2" at 59,40.5 h1
  text "SPI SCK" at 56,39.262 h1
  text "TP3" at 59,39.262 h1
  text "SPI SS" at 56,38.012 h1
  text "TP4" at 59,38 h1
  text "SPIWP" at 56,36.762 h1
  text "TP5" at 59,36.762 h1
  text "SPIHD" at 56,35.512 h1
  text "TP6" at 59,35.512 h1
  text "CAM Test point" at 59,27.928 h1
  text "CSI D2" at 56,26.513 h1
  text "TP11" at 59,26.501 h1
  text "CSI D1" at 56,25.263 h1
  text "TP12" at 59,25.251 h1
  text "CSI D3" at 56,24.013 h1
  text "TP13" at 59,24.013 h1
  text "CSI D0" at 56,22.763 h1
  text "TP14" at 59,22.751 h1
  text "CSI D4" at 56,21.513 h1
  text "TP15" at 59,21.513 h1
  text "46" at 30.488,20.35 h1 r90
  text "45" at 31.738,20.35 h1 r90
  text "01" at 32.988,20.35 h1 r90
  text "03" at 34.238,20.35 h1 r90
  text "08" at 35.488,20.35 h1 r90
  text "15" at 36.738,20.35 h1 r90
  text "16" at 37.988,20.35 h1 r90
  text "26" at 39.238,20.35 h1 r90
  text "47" at 40.5,20.35 h1 r90
  text "48" at 41.738,20.35 h1 r90
  text "GND" at 42.988,20.35 h1 r90
  text "GND" at 44.238,20.35 h1 r90
  text "CSI PCLK" at 56,20.263 h1
  text "TP16" at 59,20.263 h1
  text "GPIO" at 28.986,19.8 h1.2 r90
  text "CSI D5" at 56,19.013 h1
  text "TP17" at 59,19.001 h1
  text "CSI D6" at 56,17.763 h1
  text "TP18" at 59,17.763 h1
  text "GPIO46" at 30.488,17.35 h1 r90
  text "GPIO45" at 31.738,17.35 h1 r90
  text "GPIO1" at 32.988,17.35 h1 r90
  text "GPIO3" at 34.238,17.35 h1 r90
  text "GPIO8" at 35.488,17.35 h1 r90
  text "XTAL_32K_P/GPIO15" at 36.609,17.35 h0.8 r90
  text "XTAL_32K_N/GPIO16" at 37.859,17.35 h0.8 r90
  text "GPIO26" at 39.238,17.35 h1 r90
  text "GPIO47" at 40.488,17.35 h1 r90
  text "GPIO48" at 41.738,17.35 h1 r90
  text "GROUND" at 42.988,17.35 h1 r90
  text "GROUND" at 44.238,17.35 h1 r90
  text "CSI MCLK" at 56,16.513 h1
  text "TP19" at 59,16.513 h1
  text "CSI D7" at 56,15.263 h1
  text "TP20" at 59,15.263 h1
  text "CSI HSYNC" at 56,14.013 h1
  text "TP21" at 59,14.001 h1
  text "CSI VSYNC" at 56,12.763 h1
  text "TP22" at 59,12.751 h1
  text "CAM RESET" at 56,11.513 h1
  text "TP23" at 59,11.513 h1
  text "TWI SCL" at 56,10.263 h1
  text "TP24" at 59,10.251 h1
  text "TWI SDA" at 56,9.013 h1
  text "TP25" at 59,9.013 h1
  text "46" at 34.29,7.525 h1.5 r90
  text "45" at 36.815,7.525 h1.5 r90
  text "01" at 39.22,7.525 h1.5 r90
  text "03" at 41.813,7.525 h1.5 r90
  text "08" at 44.413,7.525 h1.5 r90
  text "15" at 46.965,7.525 h1.5 r90
  text "16" at 49.49,7.525 h1.5 r90
  text "26" at 52.021,7.525 h1.5 r90
  text "47" at 54.565,7.525 h1.5 r90
  text "48" at 57.165,7.525 h1.5 r90
  text "GND" at 59.84,7.525 h1.2 r90
  text "GND" at 62.365,7.525 h1.2 r90
Manufacturing notes:
  drawing of 302 lines, arcs and shapes, not listed
  text "MANUFACTURING NOTES" at 103.125,114.4 h3
  text "BOARD INFO" at 153.125,107.484 h1.5
  text "FILES" at 104.125,106.876 h1.5
  text "GTO - Top Overlay" at 104.125,103.396 h1.5
  text "Minimum Track: 0.174mm (6.86mil)" at 153.125,102.484 h1.5
  text "GTP - Top Paste" at 104.125,100.484 h1.5
  text "Minimum Clearance: 0.2mm (7.875mil)" at 153.125,98.484 h1.5
  text "GTS - Top Solder" at 104.125,97.484 h1.5
  text "GTL - L1 (Positive)" at 104.125,94.484 h1.5
  text "Minimum Through Hole VIA: 0.6mm (23.62mil) (pad) / 0.3mm (11.8mil) (Drill)" at 153.125,94.4 h1.5
  text "G1  - L2 (Positive)" at 104.125,91.484 h1.5
  text "Drilling: L1-L4" at 153.125,90.484 h1.5
  text "G2  - L3 (Positive)" at 104.125,88.484 h1.5
  text "GBL - L4 (Positive)" at 104.125,85.484 h1.5
  text "RF TRACK ANTENNA (COPLANAR WAVEGUIDE):" at 153.125,83.484 h1.5
  text "GBS - Bottom Solder" at 104.125,82.484 h1.5
  text "GBP - Bottom Paste" at 104.125,79.484 h1.5
  text "Impedance Target: 50 ohm" at 153.125,79.484 h1.5
  text "GBO - Bottom Overlay" at 104.125,76.4 h1.5
  text "Track Width: 0.174mm (6.86mil)" at 153.125,75.484 h1.5
  text "GM3 - Manufacturing Notes" at 104.125,73.4 h1.5
  text "Gap: 0.2mm (7.875mil)" at 153.125,71.484 h1.5
  text "GM28 - Board Outline" at 104.125,70.4 h1.5
  text "Height(Reference L2): 0.11mm (4.33mil)" at 153.125,67.484 h1.5
  text "Dielectric Constant: 4.29" at 153.125,63.484 h1.5
  text "STACKUP BOARD" at 153.125,56.4 h2.5
  text "Board Layer Stack" at 104,50.463 h1.52
  text "Layer" at 132.44,50.463 h1.52
  text "Name" at 142.852,50.463 h1.52
  text "Material" at 166.467,50.463 h1.52
  text "Thickness" at 188.305,50.463 h1.52
  text "Constant" at 204.811,50.463 h1.52
  text "Top Overlay" at 142.852,47.415 h1.52
  text "Top Solder" at 142.852,44.367 h1.52
  text "Solder Resist" at 166.467,44.367 h1.52
  text "0,010mm" at 188.305,44.367 h1.52
  text "3.5" at 204.811,44.367 h1.52
  text "1" at 132.44,41.319 h1.52
  text "L1" at 142.852,41.319 h1.52
  text "CF-004" at 166.467,41.319 h1.52
  text "0,035mm" at 188.305,41.319 h1.52
  text "Dielectric 2" at 142.852,38.271 h1.52
  text "PP-006" at 166.467,38.271 h1.52
  text "0,110mm" at 188.305,38.271 h1.52
  text "4.29" at 204.811,38.271 h1.52
  text "2" at 132.44,35.223 h1.52
  text "L2" at 142.852,35.223 h1.52
  text "CF-004" at 166.467,35.223 h1.52
  text "0,035mm" at 188.305,35.223 h1.52
  text "Dielectric 1" at 142.852,32.175 h1.52
  text "Core-025" at 166.467,32.175 h1.52
  text "1,200mm" at 188.305,32.175 h1.52
  text "4.6" at 204.811,32.175 h1.52
  text "3" at 132.44,29.127 h1.52
  text "L3" at 142.852,29.127 h1.52
  text "CF-004" at 166.467,29.127 h1.52
  text "0,035mm" at 188.305,29.127 h1.52
  text "Dielectric 3" at 142.852,26.079 h1.52
  text "PP-006" at 166.467,26.079 h1.52
  text "0,110mm" at 188.305,26.079 h1.52
  text "4.29" at 204.811,26.079 h1.52
  text "4" at 132.44,23.031 h1.52
  text "L4" at 142.852,23.031 h1.52
  text "CF-004" at 166.467,23.031 h1.52
  text "0,035mm" at 188.305,23.031 h1.52
  text "Bottom Solder" at 142.852,19.983 h1.52
  text "Solder Resist" at 166.467,19.983 h1.52
  text "0,010mm" at 188.305,19.983 h1.52
  text "3.5" at 204.811,19.983 h1.52
  text "Bottom Overlay" at 142.852,16.935 h1.52
  text "'.TitleProject'" at 103.636,8.4 h1.5
  text "'.VersionRevision'" at 137.636,8.4 h1.5
  text "'.Company'" at 103.636,4.4 h1.5
  text "'.VariantName'" at 103.636,0.4 h1.5
Drill Drawing:
  circle w0.254: c-43.704,-29.519 r0.847
  lines w0.254: -44.551,-26.556 -42.858,-26.556 -42.858,-24.863 -44.551,-24.863 -44.551,-26.556 ; -44.551,-22.323 -44.128,-22.323 -43.704,-22.746 -43.281,-22.323 -42.858,-22.323 -43.281,-21.899 -42.858,-21.476 -43.281,-21.476 -43.704,-21.053 -44.128,-21.476 -44.551,-21.476 -44.128,-21.899 -44.551,-22.323 ; -44.551,-17.243 -42.858,-17.243 -43.704,-18.936 -44.551,-17.243 ; -44.551,-14.703 -44.128,-14.703 -44.128,-15.126 -43.281,-15.126 -43.281,-14.703 -42.858,-14.703 -42.858,-13.856 -43.281,-13.856 -43.281,-13.433 -44.128,-13.433 -44.128,-13.856 -44.551,-13.856 -44.551,-14.703
  lines w0.381: -46.07,-31.509 117.106,-31.509 ; -46.07,-12.459 117.106,-12.459 ; -32.077,-35.319 -32.077,-8.649 ; -16.842,-35.319 -16.842,-8.649 ; 11.598,-35.319 11.598,-8.649 ; 24.447,-35.319 24.447,-8.649 ; 43.086,-35.319 43.086,-8.649 ; 73.303,-35.319 73.303,-8.649 ; 88.285,-35.319 88.285,-8.649 ; -46.07,-35.319 117.106,-35.319 117.106,-8.649 -46.07,-8.649 -46.07,-35.319
  text "Symbol" at -43.784,-11.316 h1.83
  text "Count" at -30.934,-11.316 h1.83
  text "Hole Size" at -15.699,-11.316 h1.83
  text "Plated" at 12.741,-11.316 h1.83
  text "Hole Type" at 25.59,-11.316 h1.83
  text "Drill Layer Pair" at 44.229,-11.316 h1.83
  text "Via/Pad" at 74.446,-11.316 h1.83
  text "Pad Shape" at 89.428,-11.316 h1.83
  text "419" at -30.934,-15.126 h1.52
  text "0,300mm (11,81mil)" at -15.699,-15.126 h1.52
  text "PTH" at 12.741,-15.126 h1.52
  text "Round" at 25.59,-15.126 h1.52
  text "L1 - L4" at 44.229,-15.126 h1.52
  text "Via" at 74.446,-15.126 h1.52
  text "Rounded" at 89.428,-15.126 h1.52
  text "2" at -30.934,-18.936 h1.52
  text "0,550mm (21,65mil)" at -15.699,-18.936 h1.52
  text "PTH" at 12.741,-18.936 h1.52
  text "Slot" at 25.59,-18.936 h1.52
  text "L1 - L4" at 44.229,-18.936 h1.52
  text "Pad" at 74.446,-18.936 h1.52
  text "Rounded" at 89.428,-18.936 h1.52
  text "2" at -30.934,-22.746 h1.52
  text "0,550mm (21,65mil)" at -15.699,-22.746 h1.52
  text "PTH" at 12.741,-22.746 h1.52
  text "Slot" at 25.59,-22.746 h1.52
  text "L1 - L4" at 44.229,-22.746 h1.52
  text "Pad" at 74.446,-22.746 h1.52
  text "Rounded Rectangle" at 89.428,-22.746 h1.52
  text "27" at -30.934,-26.556 h1.52
  text "1,050mm (41,34mil)" at -15.699,-26.556 h1.52
  text "PTH" at 12.741,-26.556 h1.52
  text "Round" at 25.59,-26.556 h1.52
  text "L1 - L4" at 44.229,-26.556 h1.52
  text "Pad" at 74.446,-26.556 h1.52
  text "Rounded" at 89.428,-26.556 h1.52
  text "4" at -30.934,-30.366 h1.52
  text "2,000mm (78,74mil)" at -15.699,-30.366 h1.52
  text "NPTH" at 12.741,-30.366 h1.52
  text "Round" at 25.59,-30.366 h1.52
  text "L1 - L4" at 44.229,-30.366 h1.52
  text "Pad" at 74.446,-30.366 h1.52
  text "Rounded" at 89.428,-30.366 h1.52
  text "454 Total" at -30.934,-34.176 h1.52
  text "Slot definitions :" at -43.784,-37.858 h1.52
  text "Routed Path Length" at -17.553,-37.858 h1.52
  text "= Calculated from tool start centre position to tool end centre position." at 10.454,-37.858 h1.52
  text "Hole Length" at -17.553,-40.398 h1.52
  text "= Routed Path Length + Tool Size = Slot length as defined in the PCB layout" at 0.044,-40.398 h1.52
Board Outline:
  the board outline again, w0.1

## Text inside footprints (layer, text, board x,y; h text height)
J4: Top Overlay "SD CARD" at 78.391,34.482 h0.8 r90